# Altium PCB roach2.PcbDoc (part 16 of 39) (continued)
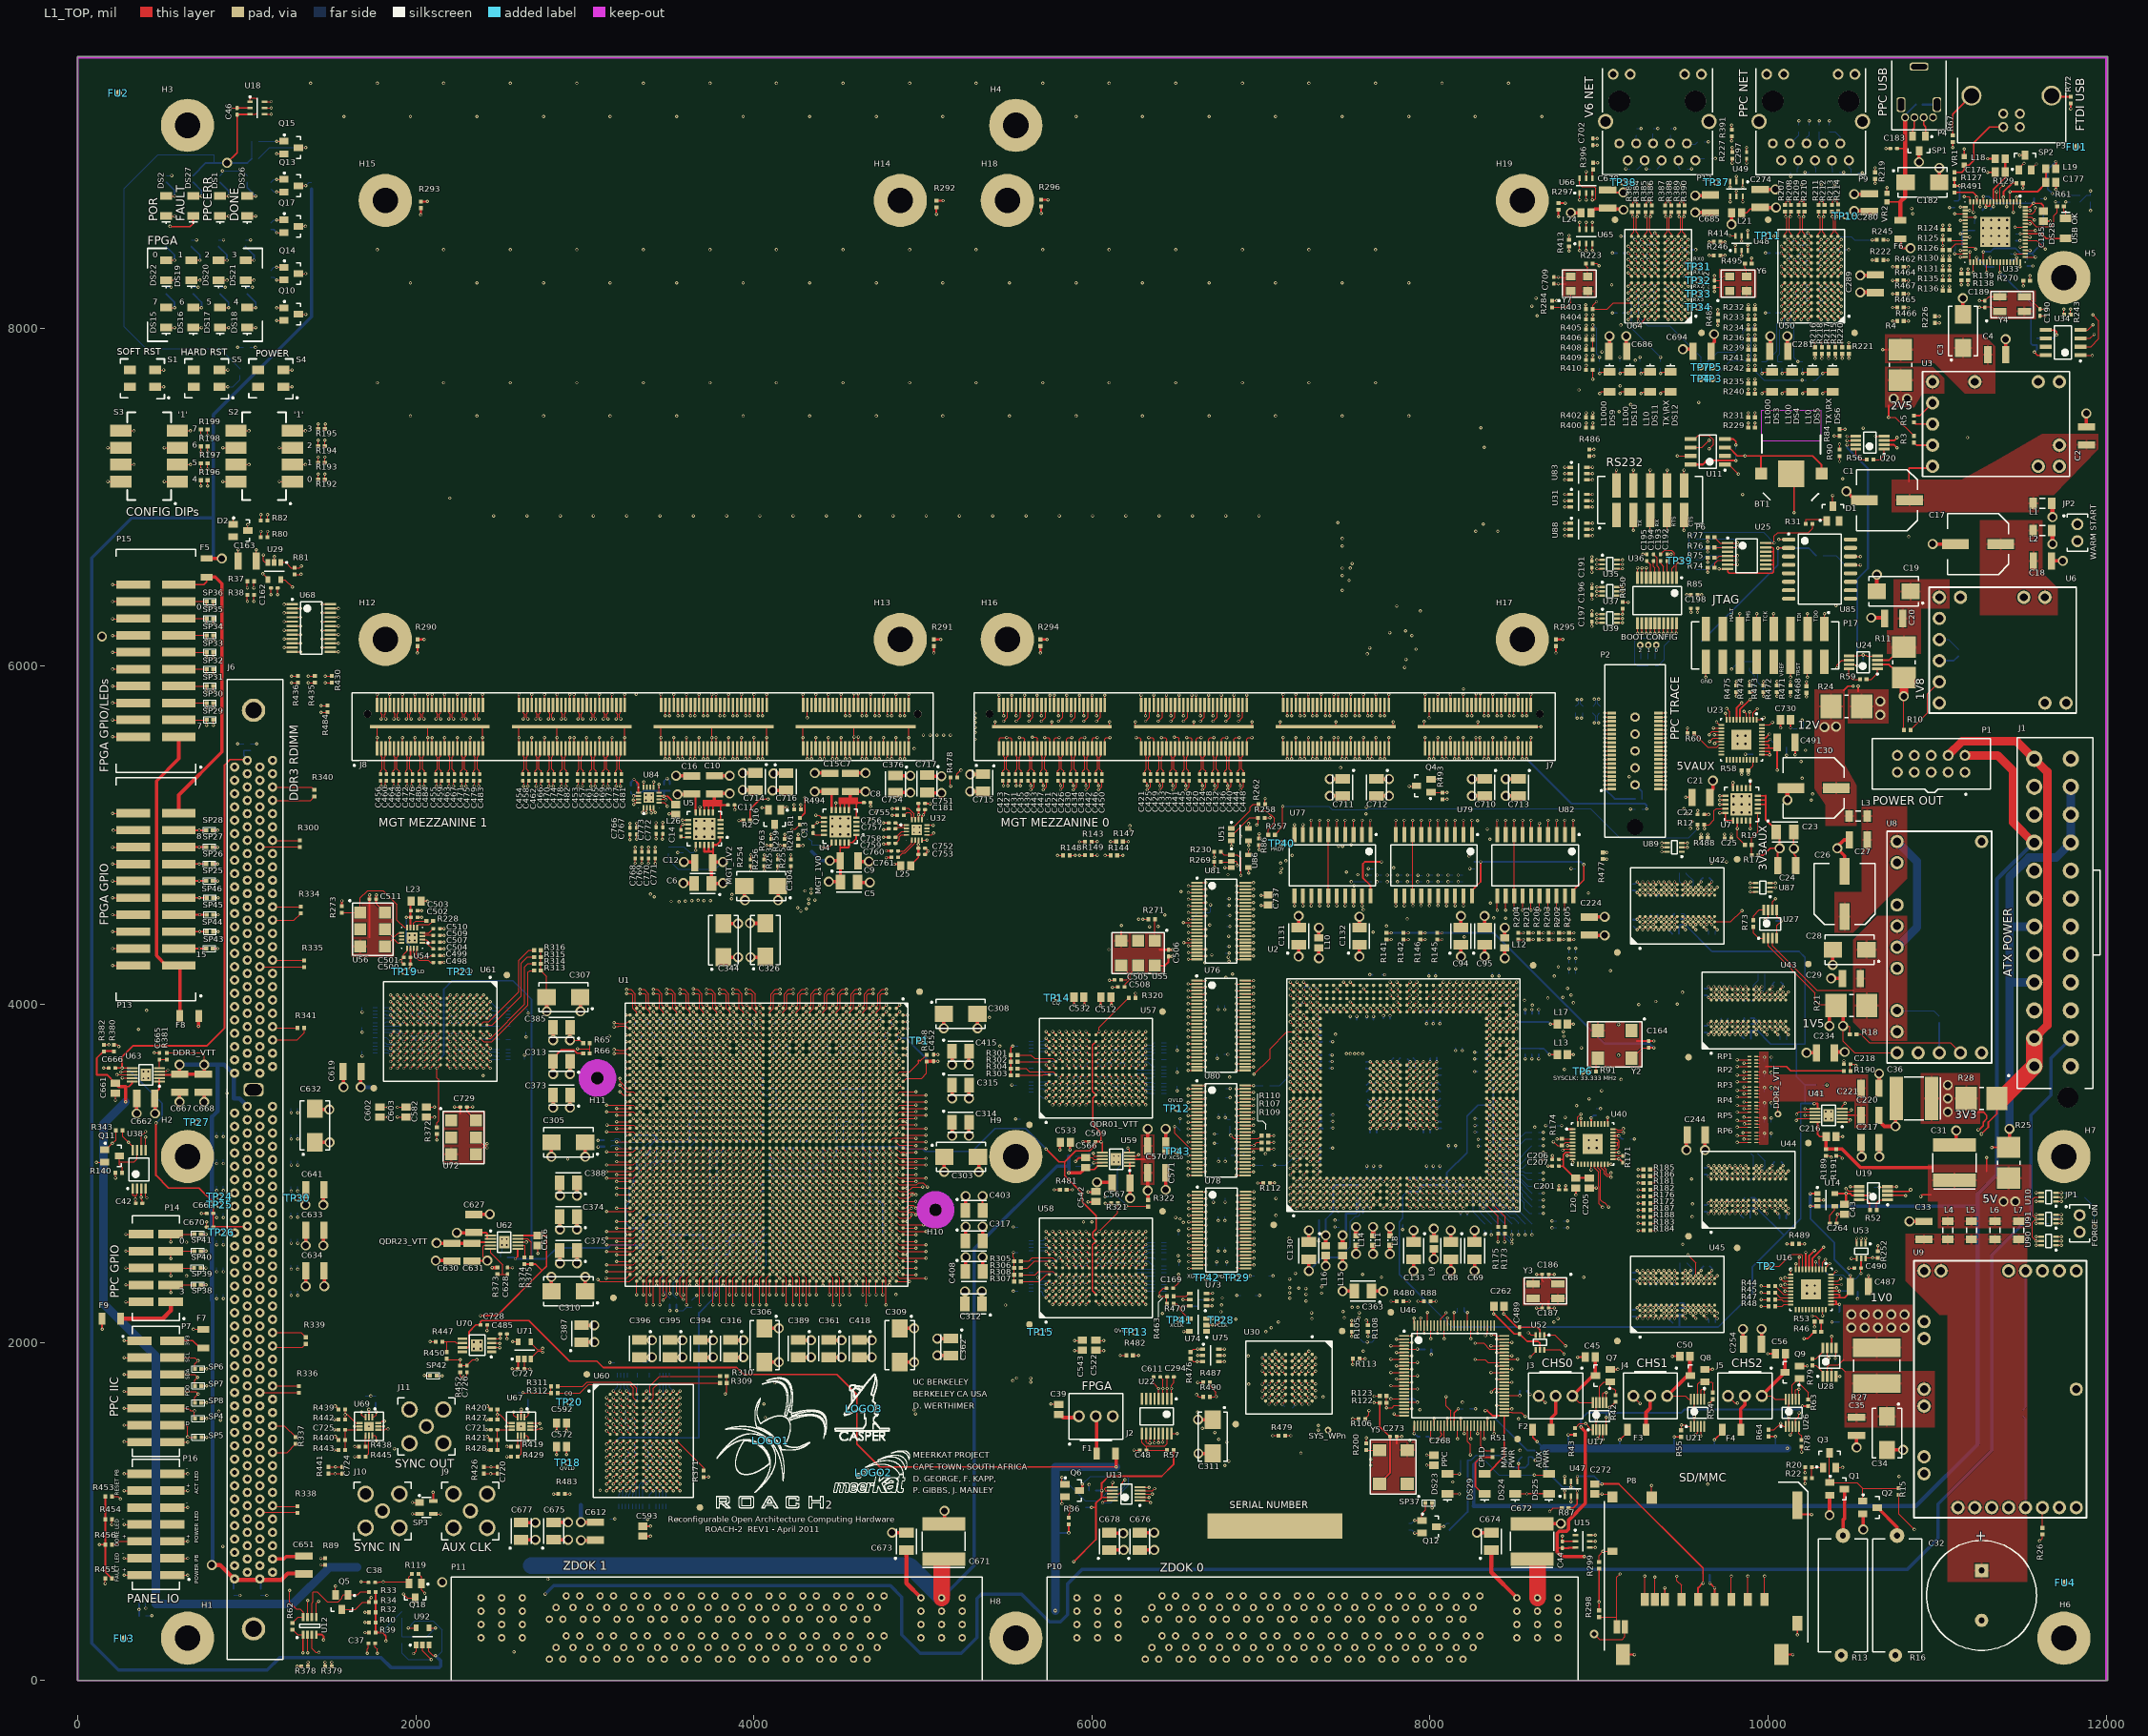
[diagram p0: L1_TOP view]
## Nets (pads, with @x,y where several pads share a name; then routed paths per layer and width w, separated by ;. In a path a pad name is that pad's centre, name@x,y a point inside that pad or via, vN(x,y) a via of type N, cw(c..) or ccw(c..) an arc to the next point about the centre after c; other vN are vias at no path point) (continued)
  L3_S w3.8: v1(6955.32,4062.35) 7061.63,4062.35 7128.99,3994.99 7128.99,3864.99 v1@7213.07,3780.91 ; v1(7244.1,1633.86) 7263.23,1652.99 7374.99,1652.99 7442.99,1720.99 7442.99,2500.99 7598.42,2656.42 7598.42,2697.67 7583,2713.09 7583,3700.98 v2(7576.99,3706.99)
  L12_S w3.8: v1(7213.07,3777.95) 7228.67,3793.55 7400.43,3793.55 7407.63,3786.36 7407.63,3773.07 7416.77,3763.93 7536.06,3763.93 7576.99,3722.99 v2(7576.99,3706.99)
EPB.PADDR8: U2.A25 U30.B8 U76.51 | length 3415.8
  L1_TOP w5: v1@6855.26,4042.27 6855.32,4042.27 U76.51@6906.26,4042.27 U76.51@6923.2,4042.27 ; v1(7173.7,3777.95) U2.A25@7193.39,3758.27 ; U30.B8@7263.78,1653.54 v1(7283.47,1633.86)
  L3_S w3.8: v1(6855.32,4042.35) 7027.63,4042.35 7092.99,3976.99 7092.99,3858.66 v1(7173.7,3777.95) ; v1@7284.6,1634.99 v1(7283.47,1633.86) 7292.33,1624.99 7408.99,1624.99 7518.99,1734.99 7518.99,2532.99 7612.99,2626.99 7612.99,2720.99 7591.17,2742.81 7591.17,2957.64 7600.99,2967.46 v2(7600.99,3706.99)
  L12_S w3.8: v1(7173.7,3777.95) 7197.47,3801.72 7520.26,3801.72 7598.99,3722.99 7598.99,3708.99 v2(7600.99,3706.99)
EPB.PADDR9: U2.C24 U30.C5 U76.49 | length 3255.7
  L1_TOP w5: v1@6855.26,4002.9 6855.32,4002.9 U76.49@6906.26,4002.9 U76.49@6923.2,4002.9 ; U30.C5@7224.41,1771.65 v1(7244.1,1751.97) ; v1(7252.44,3738.58) U2.C24@7272.13,3718.9
  L5_S w3.8: v1(6855.32,4002.98) 6904.75,4002.98 6939.72,3968.01 7055.97,3968.01 7151.69,3872.29 7219.53,3872.29 7230.99,3860.83 7230.99,3760.03 v1(7252.44,3738.58)
  L12_S w3.8: v1(7244.1,1751.97) 7267.12,1774.99 7410.99,1774.99 7580.99,1944.99 7580.99,2036.99 7644.99,2100.99 7644.99,2436.99 7706.22,2498.22 7706.22,2700.9 7630.54,2776.58 7630.54,2957.64 7641.58,2968.69 7641.58,3078.4 7616.99,3102.99 7616.99,3554.99 7455.6,3716.39 7402,3716.39 7400.8,3715.18 7293.15,3715.18 7269.75,3738.58 v1(7252.44,3738.58)
EPB.PADDR10: U2.D24 U30.D4 U76.48 | length 2923.5
  L1_TOP w5: U76.48@6889.32,3983.22 U76.48@6906.26,3983.22 6955.32,3983.22 v1@6957.26,3983.22 ; U30.D4@7185.04,1811.02 v1(7204.73,1830.71) ; v1(7291.81,3738.58) U2.D24@7311.5,3718.9
  L3_S w3.8: v2(7266.99,2244.99) 7318.42,2296.42 7318.42,2532.99 7382.99,2597.56 7397.67,2597.56 7418.42,2618.32 7418.42,2652.42 7432.99,2666.99 7448.99,2666.99 7504.26,2722.26 7504.26,2950.99 7504.99,2951.72 v2(7504.99,3706.99)
  L5_S w3.8: v1(6955.32,3983.61) 6976.7,4004.99 7060.99,4004.99 7148.99,3916.99 7254.99,3916.99 7268.04,3903.94 7268.04,3762.35 v1(7291.81,3738.58)
  L12_S w3.8: v1(7291.81,3738.58) 7303.4,3726.99 7320.71,3726.99 7324.72,3722.98 7337.64,3722.98 7341.65,3726.99 7484.99,3726.99 v2(7504.99,3706.99)
  L14_S w3.8: v1(7204.73,1830.71) 7188.99,1846.44 7188.99,2166.99 v2(7266.99,2244.99)
EPB.PADDR11: U2.B24 U30.D5 U76.47 | length 2843
  L1_TOP w5: v1@6855.26,3963.53 6855.32,3963.53 U76.47@6906.26,3963.53 U76.47@6923.2,3963.53 ; U30.D5@7185.04,1771.65 v1(7204.73,1751.97) ; v1(7213.07,3738.58) U2.B24@7232.76,3718.9
  L5_S w3.8: v1(6855.32,3963.61) 6871.94,3946.99 6936.01,3946.99 6948.86,3959.84 6961.79,3959.84 6974.64,3946.99 7028.99,3946.99 7189.3,3786.68 7189.3,3762.35 v1(7213.07,3738.58)
  L12_S w3.8: v1(7213.07,3738.58) 7236.84,3714.81 7236.84,3493.14 7258.99,3470.99 7351.12,3470.99 7402.39,3419.72 7402.39,3014.39 7386.15,2998.15 7386.15,2772.15 7341.82,2727.82 7341.82,2637.19 7290.39,2585.76 7290.39,2498.79 7341.82,2447.36 7341.82,2179.82 v2(7300.99,2138.99)
  L14_S w3.8: v1(7204.73,1751.97) 7262.99,1810.23 7262.99,2100.99 v2(7300.99,2138.99)
EPB.PADDR12: U2.D23 U30.C4 U76.45 | length 3185.9
  L1_TOP w5: v1(6855.32,3924.24) v1(6855.32,3924.24) U76.45@6906.26,3924.16 U76.45@6923.2,3924.16 ; U30.C4@7224.41,1811.02 v1(7244.1,1830.71) ; v1(7291.81,3699.21) U2.D23@7311.5,3679.53
  L3_S w3.8: v1(6855.32,3924.24) 7009.74,3924.24 7140.99,3792.99 7140.99,3786.99 7168.99,3758.99 7262.99,3758.99 7272.99,3748.99 7272.99,3718.03 v1(7291.81,3699.21)
  L12_S w3.8: v1(7244.1,1830.71) 7244.1,1823.89 7274.99,1792.99 7384.99,1792.99 7564.99,1972.99 7564.99,2108.99 7618.99,2162.99 7618.99,2468.99 7626.99,2476.99 7667.09,2476.99 7698.42,2508.32 7698.42,2697.67 7677.67,2718.42 7645.56,2718.42 7622.37,2741.61 7622.37,2975.61 7598.6,2999.38 7598.6,3547.38 7460.8,3685.19 7384.8,3685.19 7370.77,3699.21 7353.24,3699.21 7337.64,3683.61 7324.72,3683.61 7309.12,3699.21 v1(7291.81,3699.21)
EPB.PADDR13: U2.A24 U30.B3 U76.44 | length 2611.6
  L1_TOP w5: U76.44@6889.32,3904.48 U76.44@6906.26,3904.48 6955.32,3904.48 v1@6957.26,3904.48 ; v1(7173.7,3738.58) U2.A24@7193.39,3718.9 ; U30.B3@7263.78,1850.39 v1(7283.47,1870.08)
  L3_S w3.8: v1(6955.32,3904.87) 7007.11,3904.87 7173.4,3738.58 v1(7173.7,3738.58)
  L12_S w3.8: v1(7173.7,3738.58) 7138.99,3703.88 7138.99,3424.99 7164.13,3399.85 7342.13,3399.85 7354.99,3386.99 7354.99,3068.99 7339.69,3053.69 7317.69,3053.69 7268.04,3004.04 7268.04,2736.04 7218.99,2686.99 7218.99,2372.99 7202.99,2356.99 7202.99,1933.25 7220.33,1915.91 7220.33,1907.66 7238.99,1888.99 7264.55,1888.99 v1(7283.47,1870.08)
EPB.PADDR14: U2.C23 U30.E7 U76.43 | length 3301.1
  L1_TOP w5: v1@6855.26,3884.79 6855.32,3884.79 U76.43@6906.26,3884.79 U76.43@6923.2,3884.79 ; v1(7125.98,1673.23) U30.E7@7145.67,1692.91 ; v1(7252.44,3699.21) U2.C23@7272.13,3679.53
  L5_S w3.8: v1(6855.32,3884.87) 7013.11,3884.87 7126.99,3770.99 7126.99,3742.99 7148.99,3720.99 7230.66,3720.99 v1(7252.44,3699.21)
  L12_S w3.8: v1(7252.44,3699.21) 7269.75,3699.21 7293.15,3675.81 7337.27,3675.81 7338.54,3674.54 7412.32,3674.54 7414.8,3677.02 7450.97,3677.02 7590.8,3537.18 7590.8,2740.28 7621.82,2709.26 7621.82,2509.66 7598.99,2486.83 7598.99,2404.99 v2(7600.99,2402.99)
  L14_S w3.8: v1(7125.98,1673.23) 7164.99,1712.24 7164.99,2228.99 7202.99,2266.99 7202.99,2338.99 7240.99,2376.99 7574.99,2376.99 v2(7600.99,2402.99)
EPB.PADDR15: U2.A23 U30.D7 U76.42 | length 2761.2
  L1_TOP w5: U76.42@6889.32,3865.11 U76.42@6906.26,3865.11 6955.32,3865.11 v1@6957.26,3865.11 ; v1(7173.7,3699.21) U2.A23@7193.39,3679.53 ; U30.D7@7185.04,1692.91 v1(7204.73,1673.23)
  L5_S w3.8: v1(6955.32,3865.5) 7006.48,3865.5 7096.99,3774.99 7096.99,3736.99 7134.77,3699.21 v1(7173.7,3699.21)
  L12_S w3.8: v1(7173.7,3699.21) 7190.77,3699.21 7197.47,3692.51 7197.47,3492.51 7234.79,3455.19 7344.85,3455.19 7386.79,3413.25 7386.79,3399.59 7386.19,3398.99 7386.19,3040.81 7346.78,3001.4 7346.78,2772.78 7326.22,2752.22 7326.22,2645.09 7274.79,2593.66 7274.79,2492.32 7326.22,2440.9 7326.22,2397.19 7303.19,2374.16 7303.19,2321.19 v2(7266.99,2284.99)
  L14_S w3.8: v1(7204.73,1673.23) 7178.99,1698.96 7178.99,2196.99 v2(7266.99,2284.99)
EPB.PADDR16: U2.D22 U30.C7 U76.41 | length 3100.4
  L1_TOP w5: v1@6855.26,3845.42 6855.32,3845.42 U76.41@6906.26,3845.42 U76.41@6923.2,3845.42 ; U30.C7@7224.41,1692.91 v1(7244.1,1673.23) ; v1(7291.81,3659.84) U2.D22@7311.5,3640.16
  L3_S w3.8: v1(6855.32,3845.5) 7012.48,3845.5 7140.99,3716.99 7260.99,3716.99 7272.99,3704.99 7272.99,3678.66 v1(7291.81,3659.84)
  L12_S w3.8: v1(7291.81,3659.84) 7309.12,3659.84 7324.72,3644.24 7337.64,3644.24 7339.22,3645.82 7468.17,3645.82 7583,3530.98 7583,2737.05 7614.02,2706.03 7614.02,2512.89 7583.56,2482.43 7583.56,2235.56 7572.99,2224.99 v2(7572.99,2206.99)
  L14_S w3.8: v1(7244.1,1673.23) 7261.34,1690.47 7261.34,1769.21 7277.12,1784.99 7310.51,1784.99 7308.99,1784.99 ; 7310.54,1785.02 7330.05,1785.02 7414.79,1869.76 7414.79,1870.79 7511.19,1967.19 7511.19,2201.25 7532.53,2222.59 7557.39,2222.59 v2(7572.99,2206.99)
EPB.PADDR17: U2.C22 U30.A7 U76.40 | length 2878.6
  L1_TOP w5: U76.40@6889.32,3825.74 U76.40@6906.26,3825.74 6955.32,3825.74 v1@6957.26,3825.74 ; v1(7252.44,3659.84) U2.C22@7272.13,3640.16 ; U30.A7@7303.15,1692.91 7322.23,1673.84 v1@7322.84,1673.23
  L3_S w3.8: v1(6955.32,3826.13) 6989.85,3826.13 7136.99,3678.99 7233.29,3678.99 v1(7252.44,3659.84)
  L12_S w3.8: v1(7252.44,3659.84) 7269.75,3659.84 7293.15,3636.44 7340.87,3636.44 7342.08,3637.65 7452.34,3637.65 7551.43,3538.55 7551.43,2757.58 7606.22,2702.8 7606.22,2516.12 7558.99,2468.89 7558.99,2226.99 v2(7538.99,2206.99)
  L14_S w3.8: v1(7323.47,1675.08) 7323.47,1692.39 7300.07,1715.79 7300.07,1763.51 7313.77,1777.22 7341.22,1777.22 7518.99,1954.99 7518.99,2186.99 v2(7538.99,2206.99)
EPB.PADDR18: U2.A22 U30.B7 U76.38 | length 2797.5
  L1_TOP w5: U76.38@6889.32,3786.37 U76.38@6906.26,3786.37 6955.32,3786.37 v1@6957.26,3786.37 ; v1(7173.7,3659.84) U2.A22@7193.39,3640.16 ; U30.B7@7263.78,1692.91 v1(7283.47,1673.23)
  L3_S w3.8: v1(6955.32,3786.76) 6991.22,3786.76 7118.14,3659.84 v1(7173.7,3659.84)
  L5_S w3.8: v2(7264.99,2318.99) 7238.99,2292.99 7238.99,2200.99 7182.99,2144.99 7182.99,1662.99 7192.99,1652.99 7263.23,1652.99 v1(7283.47,1673.23)
  L12_S w3.8: v1(7173.7,3659.84) 7173.7,3642.54 7189.3,3626.94 7189.3,3585.36 7189.67,3584.99 7189.67,3489.28 7231.56,3447.39 7341.62,3447.39 7378.39,3410.62 7378.39,3409.59 7378.99,3408.99 7378.39,3408.39 7378.39,3044.04 7340.5,3006.15 7324.72,3006.15 7315.58,2997.01 7315.58,2680.51 7318.42,2677.67 7318.42,2648.32 7297.67,2627.56 7285.56,2627.56 7266.99,2608.99 7266.99,2489.09 7318.42,2437.67 7318.42,2400.42 7264.99,2346.99 v2(7264.99,2318.99)
  L14_S w3.8: v2(7264.99,2318.99) v2@7266.08,2318.99
EPB.PADDR19: U2.D21 U30.D6 U76.37 | length 2966.8
  L1_TOP w5: v1@6855.26,3766.68 6855.32,3766.68 U76.37@6906.26,3766.68 U76.37@6923.2,3766.68 ; U30.D6@7185.04,1732.28 v1(7204.73,1712.6) ; v1(7291.81,3620.47) U2.D21@7311.5,3600.79
  L5_S w3.8: v1(6855.32,3766.76) 7005.22,3766.76 7088.74,3683.24 7251.1,3683.24 7268.04,3666.31 7268.04,3644.24 v1(7291.81,3620.47)
  L12_S w3.8: v1(7291.81,3620.47) 7309.12,3620.47 7324.72,3604.87 7337.64,3604.87 7339.22,3606.45 7461.54,3606.45 7524.99,3542.99 7524.99,2988.99 7543.63,2970.35 7543.63,2754.35 7598.42,2699.56 7598.42,2608.52 7527.56,2537.67 7527.56,2508.32 7546.99,2488.89 7546.99,2237.05 7523.39,2213.45 7523.39,2175.39 v2(7492.99,2144.99)
  L14_S w3.8: v1(7204.73,1712.6) 7228.5,1736.37 7228.5,1758.43 7279.06,1808.99 7324.44,1808.99 7492.99,1977.54 v2(7492.99,2144.99)
EPB.PADDR20: U2.C21 U30.C6 U76.36 | length 2756.7
  L1_TOP w5: U76.36@6889.32,3747 U76.36@6906.26,3747 6955.32,3747 v1@6957.26,3747 ; U30.C6@7224.41,1732.28 v1(7244.1,1712.6) ; v1(7252.44,3620.47) U2.C21@7272.13,3600.79
  L5_S w3.8: v1(6955.32,3747.39) 7010.59,3747.39 7082.54,3675.44 7224.54,3675.44 7232.99,3666.99 7232.99,3639.92 v1(7252.44,3620.47) ; v1(7244.1,1712.6) 7266.99,1735.49 7266.99,1964.99 v2(7484.99,2182.99)
  L12_S w3.8: v1(7252.44,3620.47) 7269.75,3620.47 7293.15,3597.07 7340.87,3597.07 7342.45,3598.65 7449.34,3598.65 7512.06,3535.92 7512.06,2951.36 7512.43,2950.99 7512.43,2675.72 7534.02,2654.13 7534.02,2588.02 7510.99,2564.99 7510.99,2497.16 7534.02,2474.13 7534.02,2235.11 7484.99,2186.08 v2(7484.99,2182.99)
EPB.PADDR21: U2.B21 U30.A6 U76.34 | length 2678.5
  L1_TOP w5: U76.34@6889.32,3707.63 U76.34@6906.26,3707.63 6955.32,3707.63 v1@6957.26,3707.63 ; v1(7213.07,3620.47) U2.B21@7232.76,3600.79 ; U30.A6@7303.15,1732.28 7322.23,1713.21 v1@7322.84,1712.6
  L5_S w3.8: v1(6955.32,3708.02) 7003.96,3708.02 7072.99,3638.99 7194.55,3638.99 v1(7213.07,3620.47) ; v2(7298.99,2174.99) 7298.99,2159.05 7228.5,2088.56 7228.5,1706.14 7237.63,1697 7289.93,1697 7307.38,1714.45 v1(7323.47,1714.45)
  L12_S w3.8: v1(7213.07,3620.47) 7229.04,3604.5 7229.04,3489.91 7255.96,3462.99 7348.08,3462.99 7394.59,3416.48 7394.59,3393.59 7393.99,3392.99 7393.99,3034.4 7354.58,2994.99 7354.58,2769.55 7334.02,2748.99 7334.02,2640.42 7282.59,2588.99 7282.59,2495.56 7334.02,2444.13 7334.02,2210.02 v2(7298.99,2174.99)
EPB.PADDR22: U2.A21 U30.B6 U76.33 | length 2933.1
  L1_TOP w5: v1(6855.32,3688.02) v1(6855.32,3688.02) U76.33@6906.26,3687.94 U76.33@6923.2,3687.94 ; v1(7173.7,3620.47) U2.A21@7193.39,3600.79 ; U30.B6@7263.78,1732.28 v1(7283.47,1712.6)
  L5_S w3.8: v1(6855.32,3688.02) 6977.96,3688.02 7045.51,3620.47 v1(7173.7,3620.47) ; v2(7222.99,2320.99) 7242.99,2340.99 7278.99,2340.99 7308.99,2310.99 7379.05,2310.99 7500.59,2189.45 7500.59,2176.53 7491.45,2167.39 7491.39,2167.39 7477.39,2153.39 7477.39,2147.39 7299.07,1969.07 7299.07,1745.51 7283.47,1729.91 v1(7283.47,1712.6)
  L12_S w3.8: v1(7173.7,3620.47) 7148.99,3595.77 7148.99,3486.99 7197.47,3438.51 7197.47,3417.16 7206.61,3408.02 7344.99,3408.02 7362.79,3390.22 7362.79,3065.76 7342.55,3045.52 7324.72,3045.52 7276.21,2997.01 7276.21,2730.21 7232.99,2686.99 7232.99,2330.99 v2(7222.99,2320.99)
EPB.PADDR23: U2.D20 U30.A3 U80.55 | length 2688.1
  L1_TOP w5: v1@6855.26,3500.07 6855.32,3500.07 U80.55@6906.26,3500.07 U80.55@6923.2,3500.07 ; v1(7291.81,3581.1) U2.D20@7311.5,3561.42 ; U30.A3@7303.15,1850.39 v1@7322.84,1870.08
  L3_S w3.8: v1(6855.32,3500.15) 6922.17,3566.99 6996.99,3566.99 7074.24,3644.24 7263.74,3644.24 7274.99,3632.99 7274.99,3596.99 v1@7288.99,3582.99
  L12_S w3.8: v1(7291.81,3581.1) 7309.12,3581.1 7324.72,3565.5 7337.64,3565.5 7353.24,3581.1 7450.88,3581.1 7488.79,3543.19 7488.79,2977.19 7504.26,2961.72 7504.26,2672.86 7526.22,2650.9 7526.22,2600.22 7494.99,2568.99 7494.99,2502.12 7526.22,2470.9 7526.22,2252.22 7452.99,2178.99 7452.99,1998.98 v1(7323.47,1869.45)
EPB.PADDR24: U2.C20 U30.C3 U76.31 | length 2700.9
  L1_TOP w5: v1@6855.26,3648.57 6855.32,3648.57 U76.31@6906.26,3648.57 U76.31@6923.2,3648.57 ; U30.C3@7224.41,1850.39 v1(7244.1,1870.08) ; v1(7252.44,3581.1) U2.C20@7272.13,3561.42
  L5_S w3.8: v1(6855.32,3648.65) 6944.98,3558.99 7230.33,3558.99 v1(7252.44,3581.1)
  L12_S w3.8: v1(7244.1,1870.08) 7259.7,1854.48 7289.93,1854.48 7299.07,1863.62 7299.07,1867.11 7325.17,1893.22 7329.93,1893.22 7444.79,2008.08 7444.79,2358.79 7518.42,2432.42 7518.42,2467.67 7478.99,2507.09 7478.99,2566.99 7518.42,2606.42 7518.42,2647.67 7473.06,2693.03 7473.06,2957.64 7480.99,2965.57 7480.99,3044.99 7472,3053.99 7472,3523.99 7422.68,3573.3 7356.47,3573.3 7340.87,3557.7 7293.15,3557.7 7269.75,3581.1 v1(7252.44,3581.1)
EPB.PADDR25: U2.B20 U30.D3 U76.30 | length 2769.2
  L1_TOP w5: U76.30@6889.32,3628.89 U76.30@6906.26,3628.89 6955.32,3628.89 v1@6957.26,3628.89 ; U30.D3@7185.04,1850.39 v1(7204.73,1870.08) ; v1(7213.07,3581.1) U2.B20@7232.76,3561.42
  L5_S w3.8: v1(6955.32,3629.28) 6985.61,3598.99 7195.18,3598.99 v1(7213.07,3581.1)
  L12_S w3.8: v2(6926.99,1752.99) 6944.99,1734.99 7140.99,1734.99 7160.99,1754.99 7160.99,1826.35 v1(7204.73,1870.08)
  L14_S w3.8: v2(6926.99,1752.99) 6908.99,1770.99 6908.99,3222.99 6890.99,3240.99 6848.99,3240.99 6839.72,3250.26 6839.72,3513.68 v1(6955.32,3629.28)
EPB.PADDR26: U2.D19 U30.B2 U46.8 U80.54 | length 3007
  L1_TOP w5: U80.54@6889.32,3480.38 U80.54@6906.26,3480.38 6955.32,3480.38 v1@6957.26,3480.38 ; U30.B2@7263.78,1889.76 v1(7283.47,1909.45) ; v1(7291.81,3541.73) U2.D19@7311.5,3522.05 ; v2(7768.55,1901.42) U46.8@7846.73,1901.42
  L3_S w3.8: v1(6955.32,3480.78) 7077.54,3602.99 7220.99,3602.99 7232.99,3590.99 7232.99,3574.99 7244.99,3562.99 7270.55,3562.99 v1(7291.81,3541.73)
  L9_R w3.8: v1(7283.47,1909.45) 7298.44,1924.42 7609.56,1924.42 7615.39,1918.59 7751.38,1918.59 v2(7768.55,1901.42)
  L12_S w3.8: v1(7283.47,1909.45) 7436.99,2062.98 7436.99,2402.99 7441.82,2407.82 7441.82,2477.36 7430.99,2488.19 7430.99,2592.99 7441.82,2603.82 7441.82,2664.76 7464.89,2687.83 7464.89,2957.64 7460.99,2961.54 7460.99,3102.99 7464.2,3106.2 7464.2,3507.79 7432.99,3538.99 7350.5,3538.99 7337.64,3526.13 7307.41,3526.13 v1(7291.81,3541.73)
EPB.PADDR27: U2.C19 U30.A2 U46.7 U80.52 | length 3116.7
  L1_TOP w5: U80.52@6889.32,3441.01 U80.52@6906.26,3441.01 6955.32,3441.01 v1@6957.26,3441.01 ; v1(7252.44,3541.73) U2.C19@7272.13,3522.05 ; U30.A2@7303.15,1889.76 v1@7322.84,1909.45 ; U46.7@7846.73,1921.1 v3(7891.94,1921.1)
  L3_S w3.8: v1(6955.32,3441.41) 7054.91,3540.99 7128.99,3540.99 7150.99,3562.99 7231.18,3562.99 v1(7252.44,3541.73)
  L9_R w3.8: v1(7323.47,1908.82) 7555.16,1908.82 7580.99,1882.99 7853.83,1882.99 v3(7891.94,1921.1)
  L12_S w3.8: v1(7252.44,3541.73) 7275.84,3518.33 7290.62,3518.33 7290.99,3517.96 7432.02,3517.96 7456.4,3493.59 7456.4,3131.37 7433.32,3108.29 7433.32,2772.29 7409.92,2748.89 7409.92,2678.23 7434.02,2654.13 7434.02,2611.19 7417.83,2594.99 7417.83,2490.32 7434.02,2474.13 7434.02,2422.02 7424.99,2412.99 7424.99,2082.99 7304.99,1962.99 7304.99,1948.28 7289.93,1933.22 7281.22,1933.22 7267.87,1919.87 7267.87,1902.99 7277,1893.85 7308.5,1893.85 v1(7323.47,1908.82)
EPB.PADDR28: U2.A19 U30.C2 U46.6 U80.51 | length 2971.7
  L1_TOP w5: v1@6855.26,3421.33 6855.32,3421.33 U80.51@6906.26,3421.33 U80.51@6923.2,3421.33 ; v1(7173.7,3541.73) U2.A19@7193.39,3522.05 ; U30.C2@7224.41,1889.76 v1(7244.1,1909.45) ; v3(7801.52,1940.79) U46.6@7846.73,1940.79
  L3_S w3.8: v1(6855.32,3421.41) 6987.41,3421.41 7074.99,3508.99 7140.96,3508.99 v1(7173.7,3541.73)
  L9_R w3.8: v1(7244.1,1909.45) 7266.87,1932.22 7644.22,1932.22 7652.79,1940.79 v3(7801.52,1940.79)
  L12_S w3.8: v1(7173.7,3541.73) 7173.7,3524.43 7158.1,3508.83 7158.1,3495.9 7214.41,3439.59 7338.39,3439.59 7370.59,3407.39 7370.59,3047.27 7337.64,3014.32 7316.32,3014.32 7307.41,3005.41 7307.41,2741.41 7244.99,2678.99 7244.99,1910.35 v1(7244.1,1909.45)
EPB.PADDR29: U2.D18 U30.D2 U46.4 U80.49 | length 3155.7
  L1_TOP w5: v1(6855.32,3382.04) v1(6855.32,3382.04) U80.49@6906.26,3381.96 U80.49@6923.2,3381.96 ; U30.D2@7185.04,1889.76 v1(7204.73,1909.45) ; v1(7291.81,3502.36) U2.D18@7311.5,3482.68 ; v2(7768.55,1980.16) U46.4@7846.73,1980.16
  L3_S w3.8: v1(6855.32,3382.04) 6996.04,3382.04 7074.99,3460.99 7250.44,3460.99 v1(7291.81,3502.36)
  L9_R w3.8: v1(7204.73,1909.45) 7262.27,1966.99 7755.39,1966.99 v2(7768.55,1980.16)
  L12_S w3.8: v1(7291.81,3502.36) 7307.41,3486.76 7337.64,3486.76 7347.87,3496.99 7362.99,3496.99 7440.99,3418.99 7440.99,3408.02 7448.6,3400.42 7448.6,3134.6 7425.52,3111.52 7425.52,2775.52 7402.12,2752.12 7402.12,2675 7426.22,2650.9 7426.22,2615.09 7410.03,2598.89 7410.03,2487.09 7426.22,2470.9 7426.22,2435.09 7409.71,2418.58 7409.71,2341.71 v2(7358.99,2290.99)
  L14_S w3.8: v1(7204.73,1909.45) 7204.73,2084.73 7276.99,2156.99 7336.99,2156.99 7358.99,2178.99 v2(7358.99,2290.99)
EPB.PADDR30: U2.C18 U30.E2 U46.3 | length 2973.1
  L1_TOP w5: v1(7125.98,1909.45) U30.E2@7145.67,1889.76 ; v1(7252.44,3502.36) U2.C18@7272.13,3482.68 ; U46.3@7846.73,1999.84 v3(7891.94,1999.84)
  L5_S w3.8: v1(7125.98,1909.45) 7125.98,2308.58 7180.39,2362.99 7324.45,2362.99 v2(7359.45,2327.99)
  L9_R w3.8: v1(7125.98,1909.45) 7173.45,1909.45 7263.84,1999.84 7610.08,1999.84 7622.53,1987.39 7635.45,1987.39 7647.9,1999.84 v3(7891.94,1999.84)
  L12_S w3.8: v1(7252.44,3502.36) 7275.84,3478.96 7359.02,3478.96 7440.8,3397.19 7440.8,3260.8 7422.99,3242.99 7422.99,3171.9 7438.83,3156.07 7438.83,3142.83 7410.99,3114.99 7410.99,3011.96 7394.32,2995.29 7394.32,2671.77 7418.42,2647.67 7418.42,2618.32 7402.04,2601.94 7402.04,2484.04 7418.42,2467.67 7418.42,2438.32 7397.67,2417.56 7384.99,2417.56 7374.99,2407.56 7374.99,2343.53 v2(7359.45,2327.99)
EPB.PADDR31: U2.B18 U46.2 | length 2998.8
  L1_TOP w5: v1(7213.07,3502.36) U2.B18@7232.76,3482.68 ; v3(7801.52,2019.53) U46.2@7846.73,2019.53
  L5_S w3.8: v2(6814.99,3568.99) 6881.62,3502.36 7151.64,3502.36 7167.24,3517.96 7180.16,3517.96 7195.76,3502.36 v1(7213.07,3502.36)
  L8_R w3.8: v2(6850.99,2136.99) 6852.99,2136.99 6866.99,2122.99 6996.04,2122.99 7047.64,2071.39 7311.39,2071.39 7314.99,2074.99 7746.06,2074.99 v3(7801.52,2019.53)
  L14_S w3.8: v2(6814.99,3568.99) 6768.99,3522.99 6768.99,3216.99 6830.99,3154.99 6830.99,2156.99 v2(6850.99,2136.99)
EPB.PBEN0: U2.A15 U80.44 | length 339.4
  L1_TOP w5: U80.44@6889.32,3283.53 U80.44@6906.26,3283.53 6955.32,3283.53 v1@6957.26,3283.53 ; v1(7173.7,3344.88) U2.A15@7193.39,3364.57
  L3_S w3.8: v1(6955.32,3283.93) 7063.93,3283.93 7090.99,3310.99 7139.81,3310.99 v1(7173.7,3344.88)
EPB.PBEN1: U2.B15 U80.45 | length 483.7
  L1_TOP w5: v1@6855.26,3303.22 6855.32,3303.22 U80.45@6906.26,3303.22 U80.45@6923.2,3303.22 ; v1(7213.07,3344.88) U2.B15@7232.76,3364.57
  L3_S w3.8: v1(6855.32,3303.3) 7039.3,3303.3 7074.99,3338.99 7136.61,3338.99 7158.1,3360.48 7197.47,3360.48 v1(7213.07,3344.88)
EPB.PBEN2: U2.C15 U80.47 | length 515.4
  L1_TOP w5: v1@6855.26,3342.59 6855.32,3342.59 U80.47@6906.26,3342.59 U80.47@6923.2,3342.59 ; v1(7252.44,3344.88) U2.C15@7272.13,3364.57
  L3_S w3.8: v1(6855.32,3342.67) 7044.67,3342.67 7072.99,3370.99 7132.99,3370.99 7135.33,3368.65 7228.67,3368.65 v1(7252.44,3344.88)
EPB.PBEN3: U2.D15 U80.48 | length 491.9
  L1_TOP w5: U80.48@6889.32,3362.27 U80.48@6906.26,3362.27 6955.32,3362.27 v1@6957.26,3362.27 ; v1(7291.81,3344.88) U2.D15@7311.5,3364.57
  L3_S w3.8: v1(6955.32,3362.67) 7032.67,3362.67 7074.99,3404.99 7260.99,3404.99 7270.99,3394.99 7270.99,3365.7 v1(7291.81,3344.88)
EPB.PBLASTN: U2.B7 U80.41 | length 560.6
  L1_TOP w5: v1@6855.26,3224.48 6855.32,3224.48 U80.41@6906.26,3224.48 U80.41@6923.2,3224.48 ; v1(7213.07,3029.92) U2.B7@7232.76,3049.61
  L3_S w3.8: v1(6855.32,3224.56) 7015.43,3224.56 7054.99,3184.99 7054.99,3136.99 7134.99,3056.99 7182.99,3056.99 v1@7210.99,3028.99
EPB.PCSN_CPLD: R108.1 R118.2 U46.97 | length 478.7
  L1_TOP w5: v2(7632.99,2036.99) 7633.99,2037.99 7633.99,2063.31 R108.1@7633.99,2065.31 ; v3(7965.83,2054.04) U46.97@7965.83,2099.25
  L9_R w3.8: v2(7632.99,2036.99) 7658.99,2062.99 7956.87,2062.99 v3(7965.83,2054.04)
  L16_BOT w5: v2(7632.99,2036.99) 7651.31,2036.99 7677.49,2063.18 R118.2@7678.99,2064.68
EPB.PCSN_FLASH: R105.1 R116.2 U30.F2 | length 676.4
  L1_TOP w5: v1(7086.61,1909.45) U30.F2@7106.3,1889.76 ; v2(7536.99,2034.99) 7537.99,2035.99 R105.1@7537.99,2063.31
  L8_R w3.94: v1(7086.61,1909.45) 7106,1928.84 7106,2011 7140,2045 7441,2045 7451.01,2034.99 v2(7536.99,2034.99)
  L9_R w3.8: v1@7084.99,1909.48 v1@7084.99,1912.99
  L16_BOT w5: v2(7536.99,2034.99) 7555.31,2034.99 R116.2@7582.99,2062.68
EPB.PCSN_FPGA0: R107.1 R117.2 U80.38 | length 161.4
  L1_TOP w5: U80.38@6906.26,3165.42 v2(6957.39,3165.39) ; v2(6957.39,3165.39) 6974.99,3182.99 R107.1@7003.31,3182.99
  L16_BOT w5: R117.2@6902.99,3157.68 6910.31,3164.99 v2@6956.99,3164.99
EPB.PCSN_FPGA1: R110.1 R121.2 U80.40 | length 253.9
  L1_TOP w5: v2(6820.99,3224.99) 6841.19,3204.79 U80.40@6906.26,3204.79 6985.11,3204.79 R110.1@7003.31,3222.99
  L16_BOT w5: R121.2@6816.99,3278.99 6816.99,3278.31 6816.99,3228.99 v2(6820.99,3224.99)
EPB.PCSN_SMAP: R109.1 R120.2 U80.37 | length 202
  L1_TOP w5: v1@6855.26,3145.74 6855.32,3145.74 U80.37@6906.26,3145.74 ; U80.37@6923.2,3145.74 U80.37@6906.26,3145.74 ; R109.1@7003.31,3142.99 7000.56,3145.74 U80.37@6906.26,3145.74
  L16_BOT w5: R120.2@6822.99,3147.99 6823.15,3147.84 6825.17,3145.82 v1(6855.32,3145.82)
  L16_BOT w10: v1@6853.46,3147.68 v1(6855.32,3145.82)
EPB.PDATA0: U2.C14 U30.G7 U46.16 U81.47 | length 4692
  L1_TOP w5: v1@6856.16,4699.61 6856.22,4699.61 U81.47@6907.16,4699.61 U81.47@6924.1,4699.61 ; v1(7047.24,1673.23) U30.G7@7066.93,1692.91 ; v1(7252.44,3305.51) U2.C14@7272.13,3325.2 ; v2(7768.55,1743.94) U46.16@7846.73,1743.94
  L5_S w3.8: v1(7047.24,1673.23) 7031.48,1688.99 6998.99,1688.99 6954.99,1732.99 6954.99,2061.12 6984.44,2090.57 6984.44,2263.79 6975.7,2272.53 6975.7,2285.45 6984.44,2294.2 6984.44,2924.38 6996.19,2936.13 6996.19,2949.05 6984.44,2960.8 6984.44,3252.44 7060.99,3328.99 7228.96,3328.99 v1(7252.44,3305.51)
  L9_R w3.8: v1(7047.24,1673.23) 7069.48,1650.99 7568.99,1650.99 7661.94,1743.94 v2(7768.55,1743.94)
  L14_S w3.8: v1(6856.22,4699.69) 7014.29,4699.69 7092.99,4620.99 7092.99,3324.99 7110.99,3306.99 7128.99,3306.99 7146.44,3289.54 7236.47,3289.54 v1(7252.44,3305.51)
EPB.PDATA1: U2.D14 U30.F6 U46.15 U81.46 | length 4477.8
  L1_TOP w5: U81.46@6890.22,4679.93 U81.46@6907.16,4679.93 6956.22,4679.93 v1@6958.16,4679.93 ; v1(7086.61,1712.6) U30.F6@7106.3,1732.28 ; v1(7291.81,3305.51) U2.D14@7311.5,3325.2 ; U46.15@7846.73,1763.62 v3(7891.94,1763.62)
  L9_R w3.8: v1(7086.61,1712.6) 7106.22,1692.99 7586.99,1692.99 7657.62,1763.62 v3(7891.94,1763.62)
  L14_S w3.8: v1(6956.22,4680.32) 6995.66,4680.32 7078.99,4596.99 7078.99,4360.13 7074.99,4356.12 7074.99,3300.99 7084.99,3290.99 7122.99,3290.99 7132.24,3281.74 7268.04,3281.74 v1(7291.81,3305.51) 7291.81,3288.2 7315.21,3264.8 7315.21,3059.6 7262.13,3006.52 7253.36,3006.52 7252.99,3006.15 7164.15,3006.15 7156.99,2998.99 7156.99,2950.99 7152.39,2946.39 7152.39,1740.39 7144.99,1732.99 7107.01,1732.99 v1(7086.61,1712.6)
EPB.PDATA2: U2.A13 U30.G6 U46.14 U81.44 | length 4214.3
  L1_TOP w5: U81.44@6890.22,4640.56 U81.44@6907.16,4640.56 6956.22,4640.56 v1@6958.16,4640.56 ; v1(7047.24,1712.6) U30.G6@7066.93,1732.28 ; v1(7173.7,3266.14) U2.A13@7193.39,3285.83 ; v3(7801.52,1783.31) U46.14@7846.73,1783.31
  L5_S w3.8: v1(7047.24,1712.6) 7066.99,1732.35 7066.99,2058.93 7043.44,2082.48 7043.44,2376.67 7040.04,2380.07 7040.04,2405.92 7043.44,2409.32 7043.44,3049.44 7144.99,3150.99 7144.99,3186.99 7166.99,3208.99 7184.99,3208.99 7192.99,3216.99 7192.99,3246.85 v1(7173.7,3266.14)
  L9_R w3.8: v1(7047.24,1712.6) 7064.7,1730.05 7329.93,1730.05 7338.99,1720.99 7582.36,1720.99 7644.68,1783.31 v3(7801.52,1783.31)
  L12_S w3.8: v1(6956.22,4640.95) 6982.27,4666.99 7070.99,4666.99 7144.99,4592.99 7144.99,4148.99 ; 7144.99,4150.99 7144.99,4148.99 ; v1(7173.7,3266.14) 7155.84,3266.14 7122.99,3298.99 7122.99,4126.99 7144.99,4148.99
EPB.PDATA3: U2.B13 U30.F5 U46.13 U81.43 | length 4909
  L1_TOP w5: v1@6856.22,4620.87 U81.43@6907.16,4620.87 U81.43@6924.1,4620.87 ; v1(7086.61,1751.97) U30.F5@7106.3,1771.65 ; v1(7213.07,3266.14) U2.B13@7232.76,3285.83 ; U46.13@7846.73,1802.99 v2(7924.91,1802.99)
  L3_S w3.8: v2(6830.99,4178.99) 6964.99,4178.99 6986.99,4156.99 ; 6984.99,4156.99 6986.99,4156.99 ; v1(7213.07,3266.14) 7231.92,3284.99 7254.99,3284.99 7270.99,3300.99 7270.99,3306.99 7293.28,3329.28 7298.27,3329.28 7307.41,3338.42 7307.41,4128.57 7278.99,4156.99 6986.99,4156.99
  L5_S w3.8: v1(7086.61,1751.97) 7086.61,1808.65 7102.21,1824.25 7102.21,1886.21 7110.01,1894.01 7110.01,1973.97 7098.99,1984.99 7098.99,2087.74 7067.04,2119.69 7067.04,2375.13 7055.64,2386.53 7055.64,2399.45 7067.04,2410.85 7067.04,2933.68 7063.79,2936.93 7063.79,2949.86 7067.04,2953.11 7067.04,2962.99 7155.04,3050.99 7344.99,3050.99 7394.99,3100.99 7394.99,3182.99 7366.81,3211.17 7278.81,3211.17 7268.04,3221.94 7268.04,3233.23 7258.9,3242.37 7257.61,3242.37 7252.99,3246.99 7232.22,3246.99 v1(7213.07,3266.14)
  L9_R w3.8: v1(7086.61,1751.97) 7111.64,1776.99 7576.99,1776.99 7602.99,1802.99 v2(7924.91,1802.99)
  L12_S w3.8: v2(6830.99,4178.99) 6790.99,4218.99 6790.99,4530.99 6828.99,4568.99 6828.99,4592.99 6848.95,4612.95 6848.95,4620.95 v1(6856.22,4620.95)
EPB.PDATA4: U2.C13 U30.G4 U46.12 U81.41 | length 4329
  L1_TOP w5: v1@6856.16,4581.5 6856.22,4581.5 U81.41@6907.16,4581.5 U81.41@6924.1,4581.5 ; v1(7047.24,1830.71) U30.G4@7066.93,1811.02 ; v1(7252.44,3266.14) U2.C13@7272.13,3285.83 ; v2(7768.55,1822.68) U46.12@7846.73,1822.68
  L5_S w3.8: v1(7047.24,1830.71) 7023.47,1854.48 7023.47,1924.51 7012.99,1934.99 7012.99,2069.05 7019.84,2075.91 7019.84,2263.41 7022.5,2266.07 7022.5,2291.92 7019.84,2294.57 7019.84,3081.84 7059.79,3121.79 7059.79,3149.86 7077.73,3167.79 7081.86,3167.79 7090.99,3176.93 7090.99,3238.99 7134.11,3282.11 7236.47,3282.11 v1(7252.44,3266.14)
  L9_R w3.8: v1(7047.24,1830.71) 7072.96,1804.99 7564.99,1804.99 7582.68,1822.68 v2(7768.55,1822.68)
  L14_S w3.8: v1(6856.22,4581.58) 6895.64,4620.99 7004.99,4620.99 7044.99,4580.99 7044.99,4216.99 7052.99,4208.99 7052.99,3282.99 7060.99,3274.99 7100.99,3274.99 7125.81,3250.17 7236.47,3250.17 v1(7252.44,3266.14)
EPB.PDATA5: U2.D13 U30.F4 U46.11 U81.40 | length 4208
  L1_TOP w5: U81.40@6890.22,4561.82 U81.40@6907.16,4561.82 6956.22,4561.82 v1@6958.16,4561.82 ; v1(7086.61,1830.71) U30.F4@7106.3,1811.02 ; v1(7291.81,3266.14) U2.D13@7311.5,3285.83 ; U46.11@7846.73,1842.36 v3(7891.94,1842.36)
  L9_R w3.8: v1(7086.61,1830.71) 7102.33,1814.99 7316.49,1814.99 7317,1814.48 7329.93,1814.48 7353.73,1838.28 7784.15,1838.28 7799.44,1822.99 7872.57,1822.99 v3(7891.94,1842.36) v3@7888.57,1838.99
  L14_S w3.8: v1(6956.22,4562.21) 7030.99,4487.44 7030.99,3272.99 7040.99,3262.99 7088.99,3262.99 7109.61,3242.37 7268.04,3242.37 v1(7291.81,3266.14) 7307.41,3250.54 7307.41,3062.83 7258.9,3014.32 7154.32,3014.32 7138.99,2998.99 7138.99,1986.99 7108.99,1956.99 7108.99,1853.09 v1(7086.61,1830.71)